# Altium PCB jlinkv9mini_latest.PcbDoc (continued)
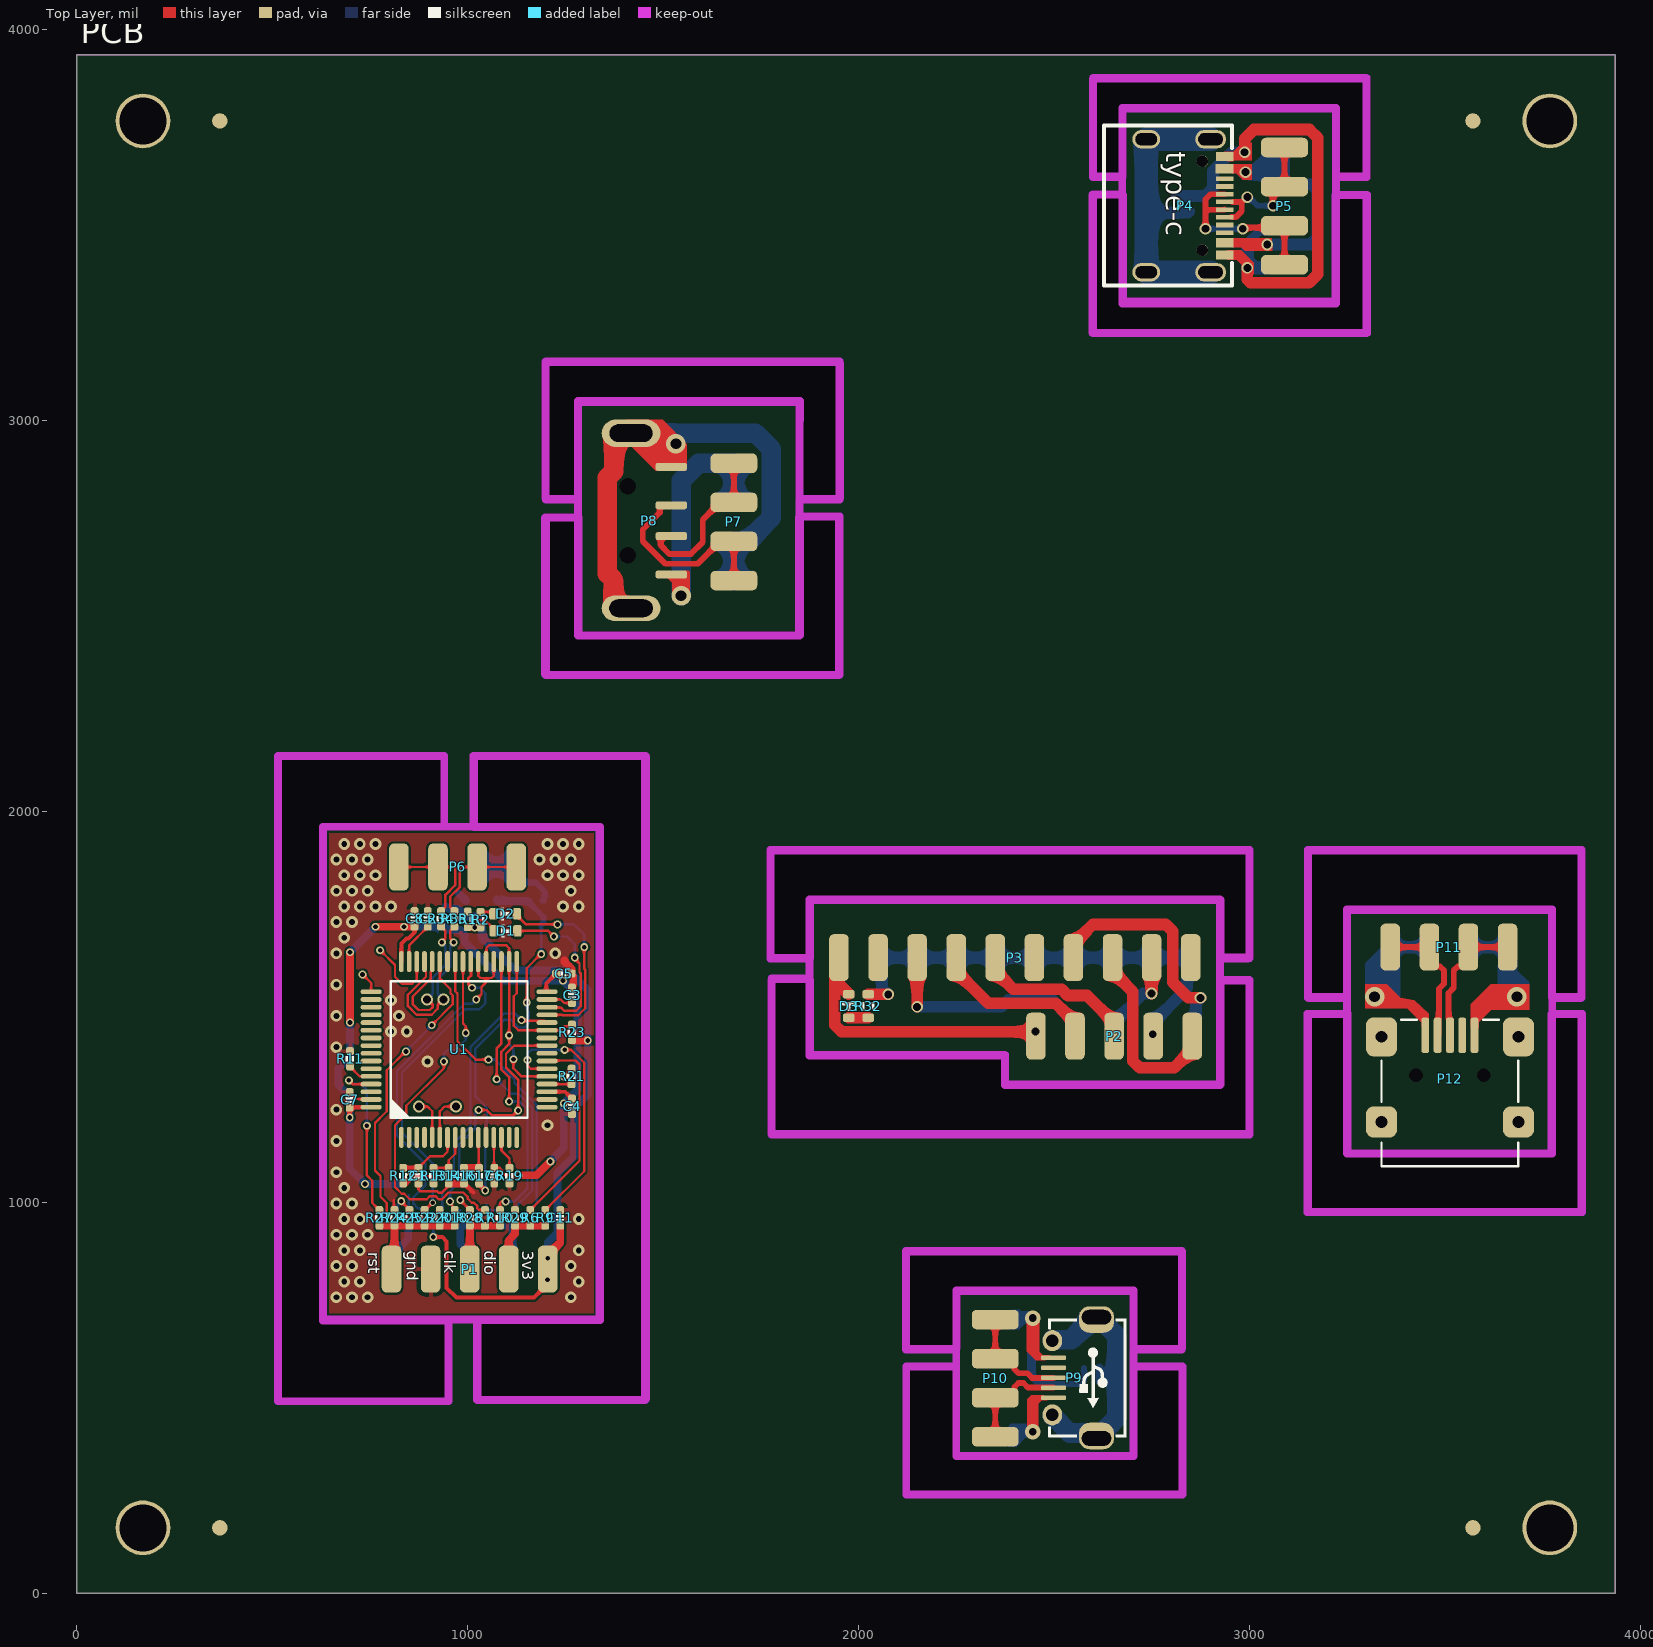
[diagram p0: Top Layer view]
## Footprints (in the part's own frame and the unit in brackets; to place one, negate y for a bottom-side part, rotate by r counter-clockwise, add the part's x,y. Pads: shape width x height; smd on the part's side, far side on the other; paste and mask are expansions set on the pad)
_LQFP_P0.5_64 [mil]
  oval 54x12 smd: 1(-225,147.64) 2(-225,127.95) 3(-225,108.27) 4(-225,88.58) 5(-225,68.9) 6(-225,49.21) 7(-225,29.53) 8(-225,9.84) 9(-225,-9.84) 10(-225,-29.53) 11(-225,-49.21) 12(-225,-68.9) 13(-225,-88.58) 14(-225,-108.27) 15(-225,-127.95) 16(-225,-147.64) 33(225,-147.64) 34(225,-127.95) 35(225,-108.27) 36(225,-88.58) 37(225,-68.9) 38(225,-49.21) 39(225,-29.53) 40(225,-9.84) 41(225,9.84) 42(225,29.53) 43(225,49.21) 44(225,68.9) 45(225,88.58) 46(225,108.27) 47(225,127.95) 48(225,147.64)
  oval 12x54 smd: 17(-147.64,-225) 18(-127.95,-225) 19(-108.27,-225) 20(-88.58,-225) 21(-68.9,-225) 22(-49.21,-225) 23(-29.53,-225) 24(-9.84,-225) 25(9.84,-225) 26(29.53,-225) 27(49.21,-225) 28(68.9,-225) 29(88.58,-225) 30(108.27,-225) 31(127.95,-225) 32(147.64,-225) 49(147.64,225) 50(127.95,225) 51(108.27,225) 52(88.58,225) 53(68.9,225) 54(49.21,225) 55(29.53,225) 56(9.84,225) 57(-9.84,225) 58(-29.53,225) 59(-49.21,225) 60(-68.9,225) 61(-88.58,225) 62(-108.27,225) 63(-127.95,225) 64(-147.64,225)
  silkscreen extent -175,-175 175,175, body extent -236,-236 236,236, height 59
_SOT23-3 [mil]
  rrect50% 30x24 smd: 1(-47,38) 2(-47,-38) 3(47,0)
  silkscreen extent -21,-53 21,53, body extent -55,-57 55,57, height 51
CAP_0402 [mil]
  rrect50% 20x20 smd: 1(-20,0) 2(20,0)
  silkscreen extent -7,-9 7,9, body extent -23,-10 23,10, height 22
"FER 0603/1608" [mm] "Chip Ferrite, 2-Leads, Body 1.60x0.80mm, IPC Medium Density"
  rect 0.9x1 smd: 1(-0.675,0) 2(0.675,0)
  silkscreen extent -1.4,-0.7 1.4,0.7, body extent -0.8,-0.41 0.8,0.41, height 0.82
HDR2X4_2.54_180H [mil]
  rrect50% 120x50 smd: 1(0,0) 3(0,-100) 5(0,-200) 7(0,-300)
  rrect50% 120x50 smd far side: 2(0,0) 4(0,-100) 6(0,-200) 8(0,-300)
  body extent -38,-350 415,50, height 78
HDR2X4_2.54_180HF [mil]
  rrect50% 120x50 smd: 1(0,0) 3(0,-100) 5(0,-200) 7(0,-300)
  rrect50% 120x50 smd far side: 2(0,0) 4(0,-100) 6(0,-200) 8(0,-300)
  body extent -36,-355 425,55, height 76
HDR2X5_2.54_180H [mil]
  rrect50% 120x50 smd: 1(0,0) 3(0,-100) 5(0,-200) 7(0,-300) 9(0,-400)
  rrect50% 120x50 smd far side: 2(0,0) 4(0,-100) 6(0,-200) 8(0,-300) 10(0,-400)
  body extent -68,-450 385,50, height 100
HDR2X10_2.54_180HF [mil]
  rrect50% 120x50 smd: 1(0,0) 3(0,-100) 5(0,-200) 7(0,-300) 9(0,-400) 11(0,-500) 13(0,-600) 15(0,-700) 17(0,-800) 19(0,-900)
  rrect50% 120x50 smd far side: 2(0,0) 4(0,-100) 6(0,-200) 8(0,-300) 10(0,-400) 12(0,-500) 14(0,-600) 16(0,-700) 18(0,-800) 20(0,-900)
  body extent -41,-955 420,55, height 76
LED_0603 [mil]
  rrect50% 22x30 smd: 1(-30,0) 2(30,0)
  silkscreen extent -10,-16 10,16, body extent -31,-16 32,16, height 21
"MURATA CSTCE" [mm] "murata CSTCE serials crystal"
  rrect50% 0.5x2 smd: 1(-1.199,0) 3(1.199,0)
  rrect50% 0.5x1.6 smd: 2(0,0)
  silkscreen extent -1.78,-1.27 1.78,1.27, body extent -1.6,-0.64 1.6,1.52, height 1.02
PCB_100x100 [mil]
  round 39.37 smd mask+39.37: 0(-1603.15,1800) 0(-1603.15,-1800) 0(1603.15,-1800) 0(1603.15,1800)
  round 140 hole 120 mask+0: 1(-1800,1800) 2(-1800,-1800) 3(1800,-1800) 4(1800,1800)
PPTC_0603 [mil]
  rrect50% 22x30 smd: 1(-30,0) 2(30,0)
  silkscreen extent -10,-3 10,3, body extent -31,-15 31,15, height 30
RES_0402 [mil]
  rrect50% 20x20 smd: 1(-20,0) 2(20,0)
  silkscreen extent -7,-10 7,10, body extent -20,-10 20,10, height 16
RES_0603 [mil]
  rrect50% 22x30 smd: 1(-30,0) 2(30,0)
  silkscreen extent -10,-16 10,16, body extent -32,-16 32,16, height 20
"TP Circle" [mm]
  round 1 smd: 1(0,0)
  silkscreen extent -0.76,-0.76 0.76,0
USB_Micro-AB [mil]
  rrect80% 68x90 hole 37 slot 75 at 90 deg copper offset 6,0 mask+0: 0(-155,10)
  oval 54x50 hole 32 mask+0: 0(-95,-103) 0(95,-103)
  rrect80% 68x90 hole 37 slot 75 at 90 deg copper offset -6,0 mask+0: 0(155,10)
  rrect50% 12x64 smd: 1(51.18,-100) 2(25.59,-100) 3(0,-100) 4(-25.59,-100) 5(-51.18,-100)
  silkscreen extent -151,-113 151,86, body extent -161,-109 161,104, height 108
USB_Mini-B [mil]
  rrect50% 80x80 smd: 0(-175.2,221.69) 0(175.2,221.69)
  rrect50% 80x100 smd: 0(-175.2,3.94) 0(175.2,3.94)
  round 23.62 hole 35.43 unplated: 0(-86.61,102.36) 0(86.61,102.36)
  rrect50% 20x90 smd: 1(62.99,0) 2(31.5,0) 3(0,0) 4(-31.5,0) 5(-62.99,0)
  silkscreen extent -175,-40 175,335, body extent -211,-28 211,335, height 156
USB_Plug_TypeA [mil]
  round 32 hole 42: 0(-106.3,88.58) 0(-106.3,-88.58)
  rrect50% 80x20 smd: 1(-218,137.8) 2(-218,39.37) 3(-218,-39.37) 4(-218,-137.8)
  oval 150x65 hole 45 slot 111 at 0 deg: 4(-115,224)
  oval 150x70 hole 45 slot 110 at 0 deg: 4(-115,-224)
  body extent -146,-236 576,236, height 70
USB_TypeC [mm]
  oval 1.2x2 hole 0.8 slot 1.6 at 90 deg: 0(-4.32,1.633) 0(4.32,1.633)
  oval 1.2x1.8 hole 0.8 slot 1.4 at 90 deg: 0(-4.32,-2.547) 0(4.32,-2.547)
  rect 0.3x1.15 smd: A1(-3.35,2.546) A4(-2.55,2.543) A5(-1.25,2.547) A6(-0.25,2.547) A7(0.25,2.546) A8(-1.75,2.547) A9(2.55,2.547) A12(3.35,2.547) B1(3.05,2.547) B4(2.25,2.547) B5(1.75,2.547) B6(0.75,2.547) B7(-0.75,2.546) B8(1.25,2.547) B9(-2.25,2.543) B12(-3.05,2.546)
  round 0.75 hole 0.75 unplated: ""(-2.89,1.102) ""(2.89,1.102)
  silkscreen extent -5.21,-5.3 5.18,3.03, body extent -4.47,-5.1 4.47,2.8, height 3.21

## Part data
C1 C2 C3 C4 C5 C6 C7 C8 C9 C10 C11 C12 C13: library part Cap_0402, "Capacitor", Specification="X7R 50V", Type=0402
D1 D2 D3: library part LED_0603, "LED", Type=0603
F1: library part Fuse, "resettable fuse"
FB1: "Ferrite Bead"
P1 P2 P3 P5 P6 P7 P10 P11: "Header"
P4: library part USB_TypeC, "USB type-c cable"
P8: "USB"
P9: library part USB_Micro, "USB", Type=B-type
P12: library part USB_Mini, "USB"
PCB: "PCB"
R1 R2 R3 R4 R5 R6 R7 R8 R9 R10 R11 R12 R13 R14 R15 R16 R17 R18 R19 R20 R21 R22 R23 R24 R25 R26 R27 R28 R29 R30 R31 R32 R33 R34 R35 R36: library part Res, "SMT Resistor"
TP1 TP2: library part "Test Point", "Test"
U1: "ARM Cortex-M3 32-bit MCU, 512 KB Flash, 128 KB Internal RAM, 51 I/Os, 64-pin LQFP, -40 to 85 degC, Tray", I/Os (High Current)=51, Operating Frequency(F) (Processor speed) (MHz)=120, Supplier Part Number 1=497-11155-ND, Supply Voltage(Vcc) min (V)=1.8, ComponentLink1Description="Manufacturer URL", ComponentLink1URL=http://www.st.com/web/en/home.html, ComponentLink2Description=Datasheet, ComponentLink2URL=http://www.st.com/st-web-ui/static/active/en/resource/technical/document/datasheet/CD00237391.pdf, ComponentLink3Description="Package Specification", ComponentLink3URL=http://www.st.com/st-web-ui/static/active/en/resource/technical/document/datasheet/DM00037051.pdf, Core="ARM Cortex-M3", D/A Converter="2x12-bit (2 Channel)", DatasheetVersion="Rev. 9", FLASH Size (Prog) (kB)=512, Internal RAM Size (kB)=128, Mounting Technology="Surface Mount", PackageDescription="64-Pin Low Profile Quad Flat Package, 10 x 10 mm Body, 0.5 mm Pitch", PackageReference=LQFP64, PackageVersion="Rev. 4, 06/2013", Packing=Tray, PartNumber=STM32F205RET6, Supplier 1=Digi-Key, Supplier 2=Farnell, Supplier 3=Newark, Supplier 4=Mouser, Supplier Part Number 2=2060897, Supplier Part Number 3=47T9329, Supplier Part Number 4=511-STM32F205RET6
U2: "Regulator LDO"
Y1: library part XTAL_MURATA_3P, "Crystal Oscillator With Caps Inside"

## Free pads (board coordinates)
  round 60 hole 30: 2(3338.19,1423.43) 3(3338.19,1205.67) 4(3688.59,1205.67) 5(3688.59,1423.43)

## Via types
v1: diameter 30, hole 15, Top Layer to Bottom Layer, tented both sides, 67 vias
v2: diameter 20, hole 12, Top Layer to Bottom Layer, tented both sides, 47 vias
v3: diameter 30, hole 20, Top Layer to Bottom Layer, 14 vias
v4: diameter 30, hole 20, Top Layer to Bottom Layer, tented both sides, 4 vias
v5: diameter 50, hole 28, Top Layer to Bottom Layer, 4 vias
v6: diameter 20, hole 12, Top Layer to Bottom Layer, 3 vias
v7: diameter 40, hole 20, Top Layer to Bottom Layer, 2 vias
v8: diameter 16, hole 12, Top Layer to Bottom Layer, tented both sides, 1 vias

## Nets (pads, with @x,y where several pads share a name; then routed paths per layer and width w, separated by ;. In a path a pad name is that pad's centre, name@x,y a point inside that pad or via, vN(x,y) a via of type N, cw(c..) or ccw(c..) an arc to the next point about the centre after c; other vN are vias at no path point)
+3V3: C4.2 C5.2 C6.2 C7.2 C8.2 FB1.1 R12.2 R13.1 U1.13 U1.19 U1.32 U1.48 U1.64 | length 2646.8
  Top Layer w6: C7.2 C7.2@699.36,1243.42 ; U1.48@830.18,1616.24 U1.48 ; R12.2 R12.2@835,1048.48 ; v2@851.17,1064.64 v2(851.17,1065.06) 853.17,1067.06 908.94,1067.06 912.71,1063.29 R13.1 ; U1.13 1067.36,1165.28 1067.36,1088.06 C6.2 1082,1088.06 1088,1082.06 1088,1077.26 1096.2,1069.06 v2(1130,1069.06) ; U1.32@1201,1540.7 U1.32
  Top Layer w10: v2(698,1217.06) C7.2 ; C7.2@699.36,1243.42 U1.64 ; U1.48@830.18,1616.24 830.18,1662.24 843,1675.06 848.2,1675.06 864,1690.86 C8.2 ; U1.32@1201,1540.7 1201,1560.06 C5.2 v2(1244,1567.06) ; U1.19 1249.6,1282.79 C4.2 1256.58,1254.97 1247.91,1254.97 v2(1246,1253.06)
  Top Layer w20: v2(699,1460.06) v2(699,1640.06) ; v2(764,1705.06) v2(837,1705.06) C8.2 ; R12.2@835,1048.48 v2@851.17,1064.64 ; v2(1130,1069.06) 1176,1069.06 v2(1211.5,1104.56)
  Bottom Layer w10: FB1.1@943.43,1705.06 FB1.1
  Bottom Layer w20: v2(699,1460.06) 699,1372.06 669,1342.06 669,1301.06 698,1272.06 v2(698,1217.06) 698,1086.06 v2(737,1047.06) 833.17,1047.06 v2(851.17,1065.06) ; v2(699,1640.06) v2(764,1705.06) ; v2(837,1705.06) FB1.1@943.43,1705.06 ; FB1.1 951.72,1696.77 980.28,1696.77 992,1685.05 992,1666.06 1091,1567.06 v2(1244,1567.06) 1281,1530.06 1281,1288.06 v2(1246,1253.06) 1246,1139.06 v2(1211.5,1104.56)
+3V3_ldo: C10.2 C11.2 FB1.2 P1.1 P1.2 R1.2 R2.2 R3.2 R23.1 R25.1 U2.2 | length 2096.1
  Top Layer w6: v2(830,1003.06) 830,1002.14 851.17,980.98 R25.1 ; R1.2 R1.2@1000.5,1703.56 ; R2.2@1032.5,1703.56 R2.2
  Top Layer w10: v2(912,911.06) 935,911.06 946,900.06 946,781.06 971,756.06 1170,756.06 P1.1@1202,788.06
  Top Layer w15: R1.2@1000.5,1703.56 R2.2@1032.5,1703.56
  Top Layer w20: v6(1205,857.06) 1205,865.41 1237,897.41 C11.2 ; R23.1 1267.67,1414.06 v2(1307,1414.06)
  Bottom Layer w6: v2(830,1003.06) 821,994.06 821,976.96 838.9,959.06 902.97,959.06 912,959.06 ; v2(912,911.06) 912,959.06 ; R3.2 976.79,975.73 962.11,975.73 945.44,959.06 912,959.06
  Bottom Layer w20: FB1.2 951.72,1749.92 977.14,1749.92 C10.2 1023.28,1731.06 1035,1719.34 1035,1683.06 U2.2 1037,1678.06 1122,1593.06 1257,1593.06 1307,1543.06 v2(1307,1414.06) 1307,1276.06 1272,1241.06 1272,1117.06 1230,1075.06 1230,922.06 1205,897.06 v6(1205,857.06)
  other v2: 1017.95,1703.06
  other v6: 1204.15,802.06
+5V: C9.2 F1.2 R17.2 U2.3 | length 1015.6
  Top Layer w6: v2(1151,1511.06) 1151,1599.06 1187,1635.06 v2(1188,1635.06)
  Top Layer w10: R17.2@1028.14,1046.92 v2(1045,1030.06)
  Bottom Layer w6: v2@1047,1032.06 v2(1045,1030.06) 1045,1199 1048.51,1202.51 1048.51,1242.41 1045,1245.93 1045,1246.06 1019,1272.06 1019,1392.09 1077.96,1451.04 1093.91,1467 1110.07,1467 1129.97,1447.1 1145.71,1447.1 1156.84,1458.23 1156.84,1487.16 1151.94,1492.06 1151.94,1510.12 v2(1151,1511.06) ; v2(1188,1635.06) F1.2@1188,1711.06
  Bottom Layer w15: C9.2 1194,1730.06 1194,1717.06 F1.2@1188,1711.06
  Bottom Layer w20: U2.3 1075,1773.06 1077,1771.06 C9.2
+usb_a: P7.2 P7.4 P8.1 | length 547.6
  Bottom Layer w50: v5(1546,2552) 1546,2846 1591,2891 P7.2 P7.4
+usb_c: P4.A4 P4.A9 P4.B4 P4.B9 P5.2 P5.4 | length 349.4
  Bottom Layer w30: v3(3046,3451) 3156.43,3451 3174,3468.57 3174,3590 3159,3605 3096,3605 P5.4
  other v3: 2990,3636
+usb_micro: P9.1 P10.2 P10.4
  other v7: 2446,413
+usb_mini: P11.2 P11.4 P12.1 | length 135
  Top Layer w15: P12.1 P12.1@3450.4,1462.36
  Bottom Layer w30: P11.2 P11.4
  other v5: 3320.78,1526
+VBUS: F1.1 P6.6 P6.8 | length 242
  Bottom Layer w15: P6.8 1124,1835.18 1141.12,1818.06 1174,1818.06 1197,1795.06 1197,1778.19 1190.87,1772.06 F1.1
  Bottom Layer w50: P6.6 P6.8
-usb_a: P7.6 P7.8 P8.4 | length 1313.3
  Top Layer w50: P8.4@1418,2520 1379.56,2520 1372.63,2526.93 1372.63,2593.37 1357.3,2608.7 1357.3,2854.12 1374.17,2871 1374.17,2958.76 1383.41,2968 P8.4@1418,2968
  Bottom Layer w50: P8.4@1418,2968 1736,2968 1777,2927 1777,2752 1716,2691 P7.6 P7.8
  other v5: 1532.5,2941
-usb_c: C12.2 P4.A1 P4.A12 P4.B1 P4.B12 P5.6 P5.8 R33.2 | length 1059.3
  Top Layer w10: P4.B12@2935.92,3669.17 P4.B12
  Top Layer w30: v3(2988,3687) 2988,3721.94 3011.06,3745 3154,3745 3175,3724 3175,3375 3153,3353 3003.3,3353 2995,3361.3 v3(2995,3391)
  Bottom Layer w30: C12.2 2886,3575 2907,3596 2907,3639 2955,3687 v3(2988,3687)
-usb_micro: C13.2 P9.5 P10.6 P10.8 R36.2 | length 70.9
  Bottom Layer w15: 2543,535 2570,535 R36.2 C13.2
  other v7: 2446,703.7
-usb_mini: P11.6 P11.8 P12.5 | length 100
  Bottom Layer w30: P11.6 P11.8
  other v5: 3684.78,1526
GND: C1.2 C2.1 C3.1 C4.1 C5.1 C6.1 C7.1 C8.1 C9.1 C10.1 C11.1 P1.7 P1.8 P6.2 P6.4 PCB.1 PCB.2 PCB.3 PCB.4 R11.2 R14.1 R16.1 R19.1 R21.1 R24.1 R26.1 R28.1 R29.1 R30.1 R31.1 U1.12 U1.18 U1.63 U2.1 Y1.2 | length 559.2
  Top Layer w6: C7.1 715.92,1264.14 751.97,1264.14 U1.63 ; 811,1006.01 811,981.64 R24.1 ; C1.2 873.86,1033.14 879.15,1027.85 922.26,1027.85 926.05,1024.06 933.11,1024.06 957.11,1048.06 R14.1 ; v2(980.95,1006.06) 980.95,1005.33 1005.5,980.79 R28.1 ; v2(1246,1322.06) 1261,1337.06 R21.1
  Top Layer w10: R16.1@991.35,1048.06 1014.35,1025.06
  Top Layer w20: R14.1@957.11,1048.06 R16.1@991.35,1048.06 ; 1247.95,1619.06 1247.95,1615.29 1266,1597.24 1266,1581.83 1270,1577.83 1270,1556.29 1267,1553.29 C3.1
  Bottom Layer w6: R26.1 849,981.36 849,1018.07 ; R30.1 1047.95,980.06 ; 1047.95,963.84 1047.95,980.06 ; 1047.95,995.11 1047.95,980.06 ; R31.1 1047.95,980.06
  Bottom Layer w20: 977.1,1789.96 C10.1
  other v1: 664,757 704,757 744,757 1264,757 684,797 724,797 1284,797 664,837 704,837 1264,837 684,877 724,877 1284,877 664,917 704,917 744,917 684,957 724,957 1284,957 664,997 704,997 684,1037 664,1077 664,1157 1204,1197 664,1237 897.14,1360 664,1397 804,1437 844,1437 664,1477 824,1477 804,1517 664,1557 664,1637 1224,1637 684,1677 664,1717 704,1717 684,1757 724,1757 764,1757 804,1757 1244,1757 1284,1757 664,1797 704,1797 744,1797 1264,1797 684,1837 724,1837 764,1837 1204,1837 1244,1837 1284,1837 664,1877 704,1877 744,1877 1184,1877 1224,1877 1264,1877 684,1917 724,1917 764,1917 1204,1917 1244,1917 1284,1917
jlink_rx: P2.6 P3.17 | length 253.7
  Top Layer w30: v3(2750,1534.06) P3.17
  Bottom Layer w30: P2.6 2653.92,1460.06 2727.92,1534.06 v3(2750,1534.06)
jlink_tx: P2.8 P3.5 | length 596.4
  Top Layer w30: v3(2150,1500.06) P3.5
  Bottom Layer w30: v3(2150,1500.06) 2366,1500.06 2384,1518.06 2495.92,1518.06 2553.92,1460.06 P2.8
mcu_usb_N: R34.1 U1.44 | length 434.8
  Top Layer w6: v4(896,1519.06) 897.03,1519.06 911,1505.09 911,1500.12 902.94,1492.06 874,1492.06 859,1507.06 859,1526.09 905.26,1572.35 905.26,1589.59 909.1,1593.44 U1.44 ; R34.1 932.49,1705.06 943,1694.54 943,1675.57 934,1666.57 v2(934,1665.06)
  Bottom Layer w6: v4(896,1519.06) 911,1534.06 911,1575.03 943,1607.03 943,1654.54 934,1663.54 v2(934,1665.06)
mcu_usb_P: R35.1 U1.45 | length 474.6
  Top Layer w6: U1.45 889.42,1593.44 893.26,1589.59 893.26,1577.32 847,1531.06 847,1502.09 869.03,1480.06 907.91,1480.06 923,1495.15 923,1505.09 936.97,1519.06 v4(938,1519.06) ; v2(964,1665.06) 964,1666.57 955,1675.57 955,1694.54 965.51,1705.06 R35.1
  Bottom Layer w6: v4(938,1519.06) 923,1534.06 923,1570.06 955,1602.06 955,1654.54 964,1663.54 v2(964,1665.06)
NetC1_1: C1.1 R12.1 U1.7 | length 167.2
  Top Layer w6: C1.1 903.8,1118 937,1118 948.47,1129.47 U1.7
  Top Layer w10: R12.1 C1.1
NetC2_2: C2.2 U1.47 | length 108.9
  Top Layer w6: U1.47 850.05,1657.11 C2.2
NetC3_2: C3.2 U1.31 | length 68
  Top Layer w6: U1.31 1238.05,1519.01 1247,1510.06 1266.33,1510.06 C3.2
NetC12_1: C12.1 P4.0 R33.1 | length 780.2
  Bottom Layer w30: 2736.3,3532 2843,3532 R33.1
  Bottom Layer w60: P4.0@2900.87,3379.92 2736.3,3379.92 2736.3,3532 2736.3,3720.08 P4.0@2900.87,3720.08
NetC13_1: C13.1 P9.0 R36.1 | length 726.9
  Bottom Layer w15: P9.0@2609,706 P9.0@2617,698
  Bottom Layer w20: R36.1 2617,560 ; C13.1@2617,578 2617,560 ; 2661,560 2617,560
  Bottom Layer w50: P9.0@2496,456 2496,454 2540.36,409.64 2595.36,409.64 2609,396 2612.81,396 2627.64,410.83 2627.64,414.64 2661,448 2661,560 2661,657.81 2612.81,706 2609,706 2602.81,706 2544.81,648 2496,648 P9.0@2496,646
NetD1_1: D1.1 R1.1 | length 90
  Top Layer w6: R1.1 1022,1722.06 1043.8,1722.06 1067,1698.86 D1.1
NetD2_1: D2.1 R2.1 | length 39.1
  Top Layer w6: R2.1 1061,1743.06 D2.1 D2.1@1066,1742.06
NetD3_2: D3.2 R32.1 | length 50
  Top Layer w30: D3.2 R32.1
NetR11_1: R11.1 U1.60 | length 64.3
  Top Layer w6: R11.1 723.9,1322.16 U1.60
NetU1_5: U1.5 Y1.1 | length 106
  Top Layer w6: v4(875,1245.06) 897,1245.06 909.1,1232.96 U1.5
NetU1_6: U1.6 Y1.3 | length 113.1
  Top Layer w6: U1.6 928.79,1232.85 941,1245.06 v4(970,1245.06)
PA0: R19.2 U1.14 | length 86.6
  Top Layer w6: U1.14 1086.27,1132.79 1107,1112.06 R19.2
PA1: U1.15
PA2: U1.16
PA3: U1.17
PA4: R21.2 U1.20 | length 63.2
  Top Layer w6: U1.20 1203.21,1302.27 1265.79,1302.27 R21.2
PA5: R10.1 U1.21 U1.34 U1.37 | length 1060.5
  Top Layer w6: U1.37 1048.05,1617.21 1048.05,1651.1 1055,1658.06 1098,1658.06 1105.95,1650.11 U1.34 1106,1616.01 v2(1106,1427.06) 1106,1404.9 1086,1384.9 1086,1340.06 1105.95,1320.11 v2(1105.95,1258.06) ; R10.1@1089.67,980.06 R10.1 1082.67,998.73 1086,1002.06 v2(1097,1002.06) ; v2(1117,1366.06) 1117,1343 1137.84,1322.16 U1.21
  Bottom Layer w6: v2(1097,1002.06) 1119.56,1002.06 1153,1035.5 1153,1237.93 1132.87,1258.06 v2(1105.95,1258.06) ; v2(1106,1427.06) 1107,1426.06 1107,1402.42 1117,1392.42 v2(1117,1366.06)
PA6: R9.1 U1.22 | length 664.6
  Top Layer w6: v2(1153.21,1363.76) 1153.21,1350.19 1161.55,1341.85 U1.22 ; R9.1 1298,1079.64 1298,1357.27 1281.61,1373.66 1265.21,1390.06 v2(1248,1390.06)
  Bottom Layer w6: v2(1153.21,1363.76) 1153.21,1380.88 1162.39,1390.06 v2(1248,1390.06)
PA7: R6.1 U1.23 | length 512.3
  Top Layer w6: R6.1 1286,1106.23 1286,1352.3 1275.62,1362.68 1204.15,1362.68 U1.23
PA8: R5.1 U1.41 | length 758.2
  Top Layer w6: U1.41 968.16,1539.81 974,1533.97 974,1411.9 1020.84,1365.06 v2(1053,1365.06)
  Bottom Layer w6: v2(1053,1365.06) 1069,1365.06 1119.74,1314.31 1119.74,1305.13 1177,1247.87 1177,998.06 R5.1
PA9: U1.42
PA10: R20.1 U1.43 | length 902.3
  Top Layer w6: v2(842,1386.06) 841,1386.06 793,1338.06 793,1233.06 763,1203.06 763,1081.06 777,1067.06 777,1014.06 793,998.06 793,969.84 801.78,961.06 909.33,961.06 R20.1 ; v2(908,1453.06) 962,1507.06 962,1529 956.16,1534.84 956.16,1545.06 928.79,1572.43 U1.43
  Bottom Layer w6: v2(842,1386.06) 842,1386.56 908,1452.56 v2(908,1453.06)
PA13: TP2.1 U1.46 | length 197.1
  Top Layer w6: v2(776,1645.06) 814,1607.06 814,1577.06 832,1559.06 858.03,1559.06 869.73,1570.76 U1.46
PA14: TP1.1 U1.49 | length 53.5
  Top Layer w6: v2(731,1583.06) 753,1561.06 U1.49
PA15: U1.50
PB0: U1.26
PB1: R23.2 U1.27 U1.33 | length 327.4
  Top Layer w6: U1.33 1125.64,1534.7 1118,1527.06 1118,1451.79 1129.78,1440.01 1202.74,1440.01 U1.27 1238.21,1440.27 1248,1450.06 1262.33,1450.06 R23.2
PB2: R4.1 U1.28 | length 689.6
  Top Layer w6: v2(1137.84,1466.1) 1139.29,1464.64 1196.42,1464.64 1202.05,1459.01 U1.28
  Bottom Layer w6: R4.1 934.79,981.91 934.79,1025.21 965,1055.42 965,1152.06 1007,1194.06 1007,1397.06 1080,1470.06 1092.88,1482.94 1121,1482.94 v2(1137.84,1466.1)
PB3: U1.55
PB4: U1.56
PB5: U1.57
PB6: U1.58
PB7: U1.59
PB8: R27.1 U1.61 | length 437.6
  Top Layer w6: v6(696,1312.06) 705.58,1302.48 U1.61 ; v2(742,1196.06) 742,1068.93 756,1054.93 756,998.06 R27.1
  Bottom Layer w6: v6(696,1312.06) 705.06,1303 726.06,1303 742,1287.06 v2(742,1196.06)
PB9: U1.62
PB10: D2.2 U1.29 | length 492
  Top Layer w6: D2.2 1126,1734.06 1149,1711.06 v2(1229.95,1711.06) ; U1.29 1240.34,1479.64 1241.59,1478.39 1282.77,1478.39 1301,1496.62 1301,1594.84 1298,1597.84 v2(1298,1653.01)
  Bottom Layer w6: v2(1229.95,1711.06) 1271.95,1711.06 1298,1685.01 v2(1298,1653.01)
PB11: D1.2 U1.30 | length 420.3
  Top Layer w6: D1.2 1206.1,1694.54 v2(1220.59,1680.06) ; U1.30 1204.15,1498.18 1238.77,1498.18 1246.56,1490.39 1277.8,1490.39 1289,1501.59 1289,1585.7 1286,1588.7 1286,1611.24 1273.95,1623.28 v2(1273.95,1626.06)
  Bottom Layer w6: v2(1220.59,1680.06) 1253.95,1680.06 1273.95,1660.06 v2(1273.95,1626.06)
PB14: R8.1 U1.35 | length 710.7
  Top Layer w6: v2(1074,1315.06) 1074,1393.79 1086.27,1406.06 U1.35
  Bottom Layer w6: v2(1074,1315.06) 1111.42,1277.64 1130.26,1277.64 1165,1242.9 1165,1030.53 R8.1
PB15: R15.1 U1.36 U1.38 | length 881.5
  Top Layer w6: v2(1022,1519.06) 1035.5,1532.56 1035.5,1550.56 1047,1562.06 1047,1574.06 ; U1.38 1027.21,1579.85 1033,1574.06 1047,1574.06 ; U1.36 1066.58,1579.64 1061,1574.06 1047,1574.06
  Bottom Layer w6: R15.1 887.84,984.39 873.17,984.39 861,996.56 861,1013.1 892,1044.1 892,1098.06 819,1171.06 819,1336.06 991,1508.06 991.06,1508 1010.94,1508 v2(1022,1519.06)
PC0: R13.2 R14.2 U1.8 | length 123.7
  Top Layer w6: R13.2 R14.2 951.57,1107.63 968.16,1124.22 U1.8
PC1: U1.9
PC2: U1.10
PC3: R16.2 R17.1 U1.11 | length 117.7
  Top Layer w6: U1.11 1028.25,1165.02 1028.25,1089.1 R17.1
  Top Layer w20: R16.2 R17.1
PC4: U1.24
PC5: R18.1 U1.25 | length 674
  Top Layer w6: v2(954.95,1002.06) 954.95,998.27 961.15,992.07 961.15,985.82 R18.1 ; v2(1028,1236.06) 1047.74,1236.06 1060.74,1223.06 1117,1223.06 v2(1129,1235.06) 1129,1314.03 1098,1345.03 1098,1379.93 1118.97,1400.9 U1.25
  Bottom Layer w6: v2(954.95,1002.06) 954.95,1028.4 978,1051.45 978,1148.09 1019,1189.09 1019,1227.06 v2(1028,1236.06)
PC8: R22.1 U1.39 | length 820.8
  Top Layer w6: R22.1@889.75,980.06 890.83,980.06 909.62,998.85 v8(910.25,998.85) ; U1.39 1008.68,1614.91 1008.68,1580.09 1001,1572.41 1001,1559.06 v2(1011,1549.06)
  Bottom Layer w6: v8(910.25,998.85) 910.25,1099.81 832,1178.06 832,1332.09 993.97,1494.06 1030,1494.06 1045,1509.06 1045,1535.06 1031,1549.06 v2(1011,1549.06)
PC9: R7.1 U1.40 | length 947.7
  Top Layer w6: v2(939,1360.06) 939,1343 843,1247 843,1226.06 814,1197.06 814,1039.26 831.2,1022.06 837.87,1022.06 851.93,1008 895.36,1008 903.21,1015.85 917.29,1015.85 925.14,1008 934.02,1008 951.08,1025.06 988.82,1025.06 999.95,1013.93 999.95,1009.49 1010.38,999.06 1016.3,999.06 1024.5,990.86 1024.5,984.94 1029.38,980.06 R7.1 ; U1.40 987.84,1457.74 995,1450.59 v2(995,1433.22)
  Bottom Layer w6: v2(939,1360.06) 939,1380 948.06,1389.06 968,1389.06 995,1416.06 v2(995,1433.22)
PC10: U1.51
PC11: U1.52
PC12: U1.53
PC13: U1.2
PC14: U1.3
PC15: U1.4
RST: P1.9 R18.2 R20.2 R22.2 R24.2 R25.2 R27.2 | length 307.1
  Top Layer w6: P1.9 P1.9@812.58,836.64
  Top Layer w20: R27.2 R24.2 ; P1.9@812.58,836.64 R24.2 ; R18.2 R20.2 R22.2 R25.2 R24.2
RXD: P1.6 R3.1 R4.2 R30.2 | length 209.8
  Bottom Layer w6: P1.6 P1.6@1005,869.2
  Bottom Layer w20: R4.2 R3.1 ; P1.6@1005,869.2 981.11,893.09 R3.1 ; R30.2 R3.1
swd_3v3: D3.1 P2.9 P2.10 P3.1 | length 738.7
  Top Layer w30: D3.1 1950,1557.06 1950,1591.06 1940,1581.06 1940,1549.54 1939,1548.54 1939,1453.63 1956.57,1436.06 2443.92,1436.06 2453.92,1426.06 P2.9
  other v3: 2453,1437.06
swd_clk: P2.5 P3.9 | length 428.2
  Top Layer w30: P3.9 2350,1591.06 2396,1545.06 2519.83,1545.06 2535.83,1529.06 2584.92,1529.06 2653.92,1460.06 P2.5
swd_dio: P2.7 P3.7 | length 428.2
  Top Layer w30: P3.7 2250,1591.06 2332,1509.06 2504.92,1509.06 2553.92,1460.06 P2.7
swd_gnd: P2.3 P2.4 P3.4 P3.6 P3.8 P3.10 P3.12 P3.14 P3.16 P3.18 P3.20 R32.2 | length 1182.4
  Top Layer w30: R32.2 v3(2076,1532.06)
  Bottom Layer w30: v3(2076,1532.06) 2060,1548.06 2060,1626.06 P3.6 P3.8 P3.10 P3.12 P3.14 P3.16 P3.18 P3.20 2840,1616.06 2840,1546.14 2753.92,1460.06 P2.4
  other v3: 2752.92,1430.06
swd_rst: P2.1 P3.15 | length 499.2
  Top Layer w30: P3.15 2650,1591.06 2702,1539.06 2702,1361.63 2719.57,1344.06 2807.92,1344.06 2853.92,1390.06 P2.1
swd_swo: P2.2 P3.13 | length 642.1
  Top Layer w30: P3.13 2550,1661.06 2600,1711.06 2786.43,1711.06 2804,1693.49 2804,1563.06 2844,1523.06 v3(2875,1523.06)
  Bottom Layer w30: P2.2 2863.92,1435.06 2863.92,1510.98 v3@2876,1523.06
TCK: P1.5 R7.2 R10.2 R28.2 | length 188.4
  Top Layer w6: P1.5 P1.5@1005.5,829.56
  Top Layer w20: P1.5@1005.5,829.56 R28.2 R10.2
TDI: P1.4 R5.2 R8.2 R31.2 | length 203.9
  Bottom Layer w6: P1.4 P1.4@1114.51,838.57
  Bottom Layer w20: R31.2 R8.2 R5.2 ; P1.4@1114.51,838.57 R8.2@1114.51,940.04
TDO: P1.10 R15.2 R26.2 | length 173.2
  Bottom Layer w6: P1.10 P1.10@805,864.06
  Bottom Layer w20: P1.10@805,864.06 847.7,906.76 R26.2 R15.2
TMS: P1.3 R6.2 R9.2 R29.2 | length 194.9
  Top Layer w20: P1.3 1105,903.06 1121.25,919.31 R29.2 R6.2 R9.2
usb_a_N: P7.1 P7.3 P8.2 | length 433.1
  Top Layer w15: P8.2 1496.66,2704.63 1494.16,2702.13 1494.16,2680.92 1516.07,2659 1571,2659 1601.29,2689.29 1601.29,2746.29 1646,2791 P7.3 P7.1
usb_a_P: P7.5 P7.7 P8.3 | length 518.1
  Top Layer w15: P8.3 1494.16,2783.37 1491.66,2780.87 1491.66,2765.29 1448,2721.63 1448,2691.72 1505.72,2634 1589,2634 1646,2691 P7.5 P7.7
usb_c_N: P4.A7 P4.B7 P5.5 P5.7 | length 456.4
  Top Layer w15: v3(2888,3491) 2888,3532 ; P4.A7 2936.55,3539.88 2895.88,3539.88 2888,3532 ; P4.B7 2936.55,3579.25 2900.69,3579.25 2888,3566.55 2888,3532 ; v3(2983,3491) 2985.87,3493.87 3052.58,3493.87 P5.5@3057.71,3499 ; P5.7 P5.5
  Bottom Layer w15: v3@2887,3492 v3(2888,3491) v3(2983,3491)
usb_c_P: P4.A6 P4.B6 P5.1 P5.3 | length 341.7
  Top Layer w15: P4.B6@2954.22,3520.75 2965.06,3520.75 2980.57,3536.26 2980.57,3559.57 ; P4.A6@2957,3559.57 2980.57,3559.57 ; v3@2994,3573 2980.57,3559.57 ; v3(2995,3572) v3@2999.06,3572 ; v3(3061,3550) 3061,3581.88 3078.12,3599 P5.3 P5.1
  Bottom Layer w15: v3@2999.06,3572 3021.06,3550 v3(3061,3550)
usb_micro_N: P9.2 P10.1 P10.3 | length 275.5
  Top Layer w15: P10.1 P10.3 2382.29,500 2399.41,517.12 2399.41,527.34 2409.57,537.5 2422,537.5 2433.79,525.7 2498.7,525.7 P9.2
usb_micro_P: P9.3 P10.5 P10.7 | length 275.5
  Top Layer w15: P10.7 P10.5 2382.29,600 2399.41,582.88 2399.41,572.66 2409.57,562.5 2432.35,562.5 2444.15,550.7 2498.7,550.7 P9.3
usb_mini_N: P11.1 P11.3 P12.2 | length 353.9
  Top Layer w15: P11.1 P11.3 3460.78,1620.71 3477.89,1603.59 3488.12,1603.59 3498.28,1593.43 3498.28,1559.25 3485.14,1546.11 3485.14,1470.61 3484.39,1469.86 3484.39,1429.86 P12.2
usb_mini_P: P11.5 P11.7 P12.3 | length 353.9
  Top Layer w15: P12.3 3510.89,1429.86 3510.89,1469.86 3510.14,1470.61 3510.14,1535.76 3523.28,1548.89 3523.28,1593.43 3533.43,1603.59 3543.66,1603.59 3560.78,1620.71 P11.5 P11.7
usb_N: P6.1 P6.3 R34.2 | length 270.1
  Top Layer w6: P6.1 P6.3 964.49,1858.06 968,1854.54 968,1811.65 943,1786.65 943,1755.57 932.49,1745.06 R34.2
usb_P: P6.5 P6.7 R35.2 | length 270.1
  Top Layer w6: R35.2 965.51,1745.06 955,1755.57 955,1781.68 980,1806.68 980,1854.54 983.51,1858.06 P6.5 P6.7
pads on no net: P3.2 P3.3 P3.11 P3.19 P4. P4.A5 P4.A8 P4.B5 P4.B8 P8.0 P9.4 P12.0 P12.4 PCB.0 U1.1 U1.54

## Polygon pours and split planes (outlines as drawn)
GND on Top Layer "Top Layer-GND" (solid, remove dead copper, pour order 0): 1328.95,1961.06 635.95,1961.06 635.95,700.06 1333.95,700.06
GND on Bottom Layer "Bottom Layer-GND" (solid, remove dead copper, pour order 2): 1333.95,1961.06 635.95,1961.06 635.95,700.06 1333.95,700.06

## Keep-outs
Keep-Out Layer:
  lines w2: 0,0 3936,0 3936,3936 0,3936 0,0
  lines w20: 514.94,1375 514.94,2142 940,2142 940,1961.06 629.95,1961.06 ; 514.99,1375 514.99,491 951,491 951,697 630,697 630,1375 ; 629.95,700.06 1338.95,700.06 1338.95,1961.06 629.95,1961.06 ; 629.95,1375 629.95,1961.06 ; 1339,699 1025,699 1025,495 1454.01,495 1454.01,2142 1016,2142 1016,1961.06 1339,1961.06 ; 1849,2801 1849,3000 ; 1850,2451 1850,2755 1950,2755 1950,2350 1200,2350 1200,2752 1282,2752 1282,2450 ; 1850,2800 1950,2800 ; 1951.7,2800 1951.7,3150 1199.95,3150 1199.95,2800 1282,2800 1282,3050 ; 1282,2450 1849,2450 ; 1282,2450 1849,2450 ; 1282,2450 1282,3050 ; 1282,3050 1850,3050 1850,3001 1849,3000 ; 1849,2450 1849,3000 ; 1875,1375 1875,1571 1778,1571 1778,1175 3000,1175 3000,1567.06 2926.06,1567.06 2926.06,1301.06 2925,1300 ; 1875,1375 2375,1375 2375,1330.03 2375,1300 ; 1875,1375 1875,1775 ; 1875,1775 1875,1625 1796,1625 1775,1625 1775,1900 3000,1900 3000,1626.06 2926.06,1626.06 2926.06,1773.94 2925,1775 ; 1875,1775 2925,1775 ; 1875,1775 2925,1775 ; 2250,775 2250,625 2122,625 2122,873.89 2827,873.89 2827,625 2704,625 2704,775 ; 2250,775 2704,775 ; 2250,775 2704,775 ; 2250,775 2250,350 2704,350 2704,775 ; 2375,1300 2925,1300 ; 2375,1300 2925,1300 ; 2375,1300 2925,1300 ; 2675,3300 3222,3300 ; 2675,3300 3222,3300 ; 2675,3300 2675,3578 2600,3578 2600,3225 3300,3225 3300,3577 3222,3577 3222,3300 ; 2675,3800 2675,3625 2600,3625 2600,3875 3300,3875 3300,3625 3225,3625 3222,3628 3222,3800 ; 2675,3800 3222,3800 ; 2675,3800 3222,3800 ; 2675,3800 2675,3305 3200,3305 3222,3305 3222,3800 ; 2925,1300 2925,1775 ; 3250,1125 3300,1125 3775,1125 ; 3250,1125 3250,1482 3150,1482 3150,975 3850,975 3850,1482 3775,1482 3775,1125 ; 3250,1125 3769,1125 3775,1125 ; 3250,1125 3250,1750 ; 3250,1125 3275,1125 3775,1125 ; 3250,1750 3769,1750 3775,1750 ; 3250,1750 3250,1525 3150,1525 3150,1900 3850,1900 3850,1525 3775,1525 3775,1750 ; 3250,1750 3300,1750 3775,1750 ; 3775,1125 3775,1750 ; 2122,252.21 2122,580 2250,580 2250,351.11 2704,351.11 2704,580 2829,580 2829,252.21 2122,252.21

## Other copper
Top Layer:
  region net -usb_c: 2942,3436 2979,3436 3011,3404 3011,3375 2981,3375 2981,3399 2968,3412 2943,3412 2936.89,3418.11
  region net +usb_c: 2951.01,3466.96 3057,3466.96 3059,3435 2988.57,3435 2979.57,3444 2957,3444
  region net +usb_c: 2946,3656 3006,3656 3006,3617 2983,3617 2967,3633 2956,3633
  region net -usb_c: 2936,3688 2959,3688 2982,3711 3006,3711 3006,3667 2962,3667 2959,3664 2942.91,3664 2936.83,3670.08
  region net -usb_a: 1557,2872 1481,2872 1406,2947 1406,3002 1499,3002 1561,2940 1561,2888
  region net +usb_a: 1512,2597 1524,2585 1524,2543 1568,2543 1568,2613 1565,2616 1553,2616
  region net -usb_micro: 2490,608 2471,608 2462,617 2462,715 2430,715 2430,619 2453,596 2478,596
  region net +usb_micro: 2483,494 2469,494 2460,485 2460,413 2432,413 2432,496 2442,506 2474,506
  region net -usb_mini: 3566.78,1448 3566.78,1507 3617.78,1558 3715.78,1558 3715.78,1493 3618.78,1493 3586.78,1461 3586.78,1444
  region net +usb_mini: 3440.78,1450 3440.78,1459 3403.78,1496 3296.78,1496 3296.78,1558 3351.78,1558 3386.78,1523 3421.78,1517 3459.78,1483 3459.78,1460 3458.78,1459
Bottom Layer:
  region net -usb_c: 3055,3505 3034,3505 3029.5,3504.5 2980,3455 2980,3375 3053,3375 3058,3380 3058,3408 3020,3408 3011,3417 3011,3455 3030,3474 3048,3474
  region: 3046,3524
  region net +usb_c: 2974,3656 3008,3656 3030,3678 3030,3696 3086,3696 3103,3679 3103,3603 3095,3595 3074,3595 3066.5,3609.5 3063,3613 3024,3613 2984,3617 2975,3626
  region net -usb_micro: 2432,702.18 2432,553.5 2457.5,528 2552,528 2552,542 2473.5,542 2454,561.5 2454,720.18
  region net -usb_micro: 2384,675 2411,675 2425,689 2454,689 2461,696 2461,714 2454,721 2416,721 2412,725 2393.5,725
  region net +usb_micro: 2458,400 2455,397 2427,397 2405,375 2382,375 2382,425 2390,433 2447,433
  region net -usb_mini: 3715.78,1493 3651.78,1493 3635.78,1509 3635.78,1608 3673.78,1608 3685.78,1620 3685.78,1593 3715.78,1563
  region net +usb_mini: 3296.78,1496 3364.78,1496 3385.78,1517 3385.78,1688 3375.78,1698 3346.78,1669 3343.78,1669 3343.78,1659 3296.78,1612

## Silkscreen, mask and mechanical layers (free items; w line width, h text height)
Top Overlay:
  text "gnd" at 843.42,876 h30 r270
  text "clk" at 940.17,876 h30 r270
  text "dio" at 1042.5,876 h30 r270
  text "3v3" at 1140,876 h30 r270
  text "rst" at 745,872 h30 r270
Bottom Overlay:
  text "https://github.com/konosubakonoakua" at 1229,895 h30 r270
  text "jlink v9 mini version" at 1286,893 h30 r270
  text "swo" at 749,798 h30 r270
  text "gnd" at 844.42,798 h30 r270
  text "rxd" at 941.17,798 h30 r270
  text "txd" at 1043.5,798 h30 r270
  text "3v3" at 1141,798 h30 r270

## Text inside footprints (layer, text, board x,y; h text height)
P4: Top Overlay "type-c" at 2786.89,3688.11 h50 r270